# Altium PCB AMS_LV.PcbDoc (part 1 of 2) (continued)
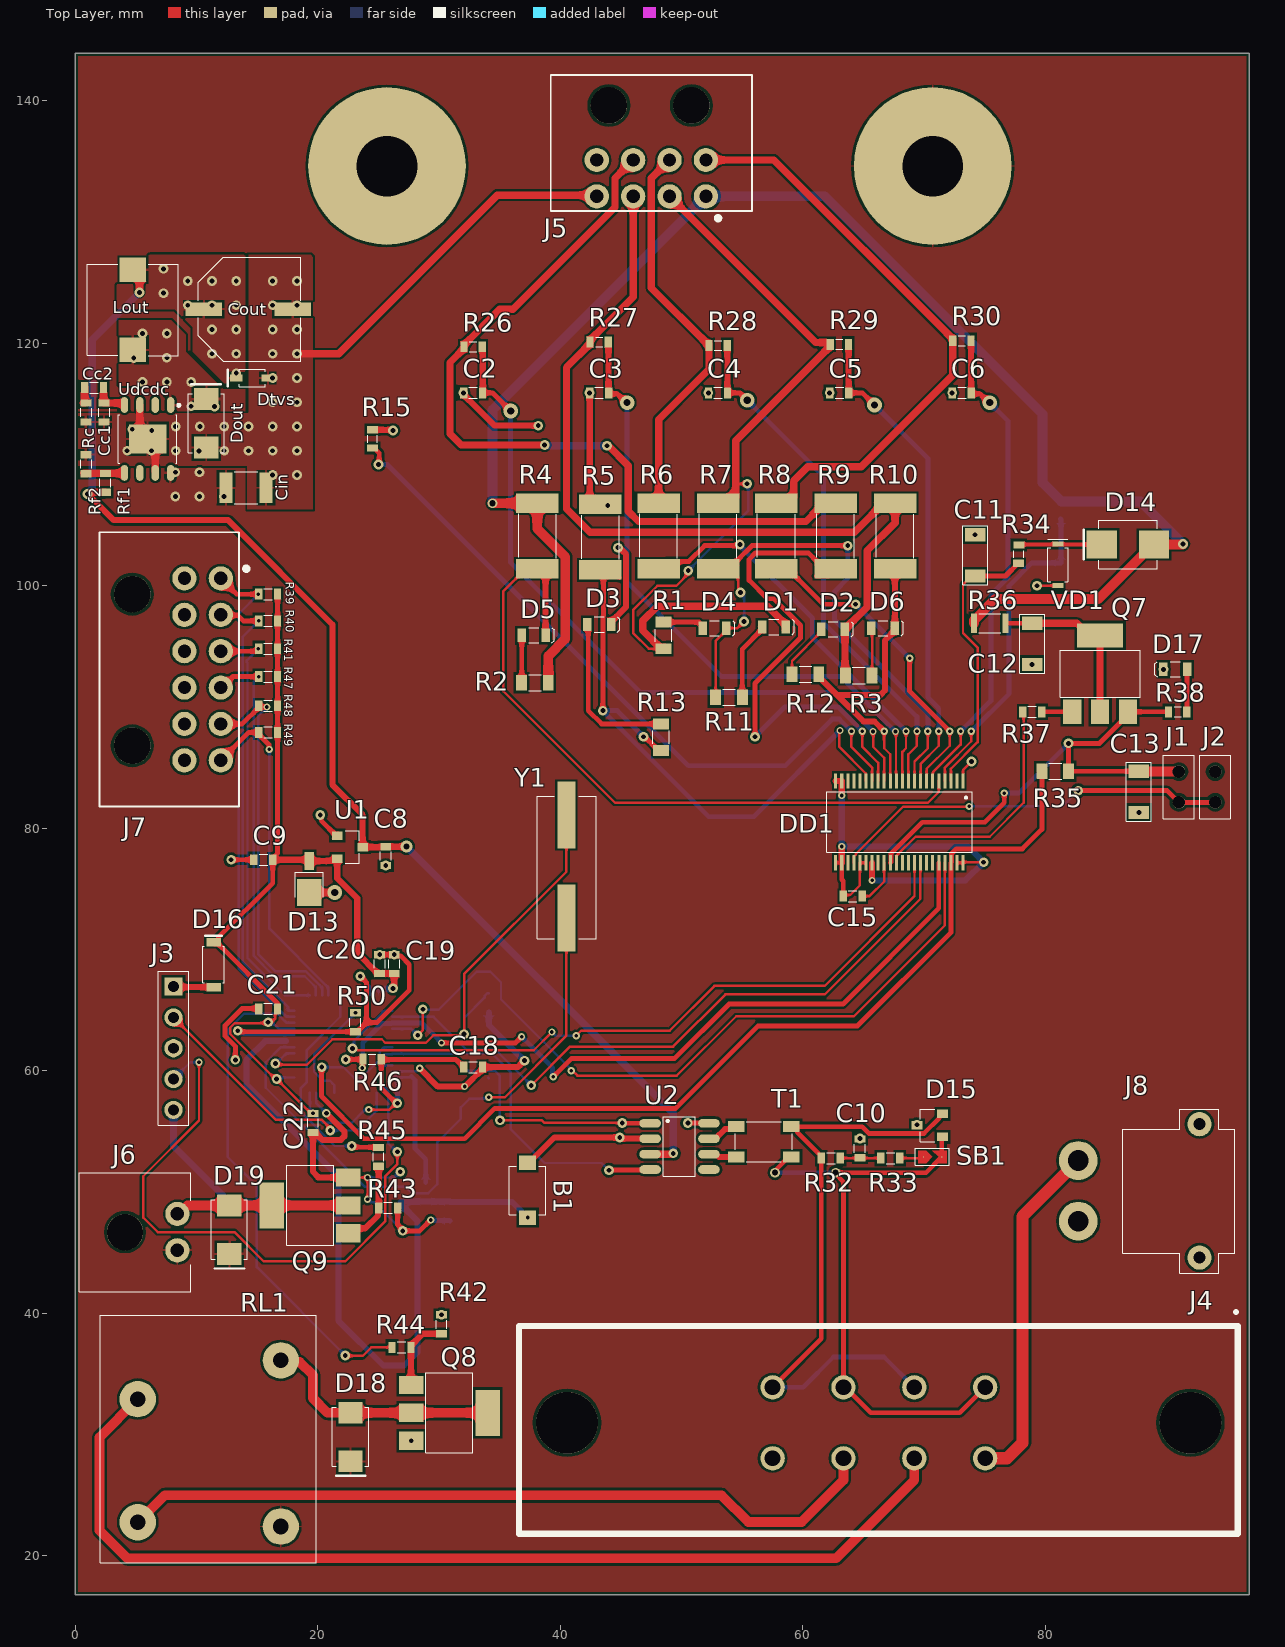
[diagram p0: Top Layer view]
## Footprints (in the part's own frame and the unit in brackets; to place one, negate y for a bottom-side part, rotate by r counter-clockwise, add the part's x,y. Pads: shape width x height; smd on the part's side, far side on the other; paste and mask are expansions set on the pad)
"0603 Capicator" [mm]
  rect 0.6x0.9 smd: 1(-0.78,0) 2(0.78,0)
  silkscreen extent -0.35,-0.45 0.35,0.45, body extent -0.82,-0.45 0.88,0.45, height 0.9
"0603 Resistor" [mm]
  rect 0.6x0.9 smd: 1(-0.78,0) 2(0.78,0)
  silkscreen extent -0.35,-0.45 0.35,0.45, body extent -0.85,-0.45 0.85,0.45, height 0.55
"0805 LED" [mm]
  rect 0.7x1.1 smd: 1(-0.975,0) 2(0.975,0)
  silkscreen extent -0.4,-0.63 1.68,0.63, body extent -1.01,-0.62 1.01,0.62, height 1.1
"0805 Resistor" [mm]
  rect 0.9x1.3 smd: 1(-1.1,0) 2(1.1,0)
  silkscreen extent -0.53,-0.67 0.53,0.67, body extent -1.05,-0.67 1.05,0.68, height 0.6
"1210 CAPACITOR" [mm]
  rect 1.1x2.5 smd: 1(-1.65,0) 2(1.65,0)
  silkscreen extent -0.95,-1.3 0.97,1.3, body extent -1.75,-1.35 1.75,1.35, height 1.8
"2512 Resistor" [mm]
  rect 1.6x3.5 smd: 1(-2.7,0) 2(2.7,0)
  silkscreen extent -1.82,-1.55 1.82,1.55, body extent -3.15,-1.55 3.15,1.55, height 0.65
ACT45B [mm]
  rect 1.35x0.9 smd: 1(0.675,2.5) 2(0.675,0) 3(5.225,0) 4(5.225,2.5)
  silkscreen extent 0.6,-0.4 5.3,2.9, body extent 0.7,-0.35 5.2,2.85, height 3
"Bar Cap 8x10.5" [mm]
  rect 1.1x3 smd: 1(0,0) 2(0,-7.325)
  silkscreen extent -4.28,-7.8 4.28,0.65, body extent -4.14,-8.24 4.16,1.06, height 10.31
"BUTTON 4x3" [mm]
  rect 1.4x1.2 smd: 1(0,0) 2(0,-4.5)
  silkscreen extent -1.48,-4.25 1.53,-0.25, body extent -1.42,-4.78 1.48,0.22, height 2
"Cap 0.1µF (1206)" [mm]
  rect 1.1x1.7 smd: 1(1.7,0) 2(-1.7,0)
  silkscreen extent -2.42,-1.02 2.43,1.02, body extent -1.67,-0.87 1.68,0.87, height 1
"Conn4x2 [MX150L]" [mm]
  round 2 hole 1.3: 1(0,0) 2(5.84,0) 3(11.68,0) 4(17.525,0) 5(0,-5.85) 6(5.84,-5.85) 7(11.68,-5.85) 8(17.525,-5.85)
  round 5.1 hole 5.1: A(-16.95,-2.92) A(34.45,-2.92)
  silkscreen extent -20.93,-12.07 38.35,6.2, body extent -20.48,-34.65 37.94,5, height 33.1
"Conn PLS-2" [mm]
  round 1.02 hole 1.02: 1(0,-1.27) 2(0,1.27)
  silkscreen extent -1.28,-2.6 1.28,2.6, body extent -1.27,-2.54 1.27,2.54, height 5.57
DO-216AA [mm]
  rect 2.2x2 smd: 1(-1.1,0)
  rect 1.5x0.8 smd: 2(1.5,0)
  silkscreen extent -1.5,-1.15 0.58,1.15, body extent -1.91,-0.93 1.85,0.98, height 1.02
hc-49sm [mm]
  rect 5.5x1.5 smd: 1(0,0) 2(8.5,0)
  silkscreen extent -1.73,-2.45 10.05,2.4, body extent -2.2,-2.44 10.6,2.39
"HEADER 2 XT30PW Male" [mm]
  round 3.2 hole 1.7: 1(0,0) 2(5,0)
  round 2 hole 1: A(-3,10) A(8,10)
  silkscreen extent -4.25,3.67 9.3,12.93, body extent -4.12,-1.05 9.18,12.9, height 5.1
HSOP-8 [mm]
  oval 1.3x0.6 smd mask+0.03: 1(-2.8,1.905) 2(-2.8,0.635) 3(-2.8,-0.635) 4(-2.8,-1.905) 5(2.8,-1.905) 6(2.8,-0.635) 7(2.8,0.635) 8(2.8,1.905)
  rect 2.41x3.1 smd mask+0.03: A(0,0)
  silkscreen extent -2.87,-2.4 2,2.68, body extent -3.01,-2.35 3.01,2.35, height 1.7
"Inductor 7x7" [mm]
  rect 2x2.2 smd: 1(-3.3,0) 2(3.3,0)
  silkscreen extent -3.77,-3.75 3.77,3.75, body extent -3.65,-3.65 3.65,3.65, height 4.5
LQFP48 [mm]
  oval 1.55x0.254 smd mask+0.02: 1(-4.025,2.75) 2(-4.025,2.25) 3(-4.025,1.75) 4(-4.025,1.25) 5(-4.025,0.75) 6(-4.025,0.25) 7(-4.025,-0.25) 8(-4.025,-0.75) 9(-4.025,-1.25) 10(-4.025,-1.75) 11(-4.025,-2.25) 12(-4.025,-2.75) 25(4.025,-2.75) 26(4.025,-2.25) 27(4.025,-1.75) 28(4.025,-1.25) 29(4.025,-0.75) 30(4.025,-0.25) 31(4.025,0.25) 32(4.025,0.75) 33(4.025,1.25) 34(4.025,1.75) 35(4.025,2.25) 36(4.025,2.75)
  oval 0.254x1.55 smd mask+0.02: 13(-2.75,-4.025) 14(-2.25,-4.025) 15(-1.75,-4.025) 16(-1.25,-4.025) 17(-0.75,-4.025) 18(-0.25,-4.025) 19(0.25,-4.025) 20(0.75,-4.025) 21(1.25,-4.025) 22(1.75,-4.025) 23(2.25,-4.025) 24(2.75,-4.025) 37(2.75,4.025) 38(2.25,4.025) 39(1.75,4.025) 40(1.25,4.025) 41(0.75,4.025) 42(0.25,4.025) 43(-0.25,4.025) 44(-0.75,4.025) 45(-1.25,4.025) 46(-1.75,4.025) 47(-2.25,4.025) 48(-2.75,4.025)
  silkscreen extent -3.8,-2.85 2.85,3.9, body extent -4.5,-4.54 4.5,4.46, height 1.56
LTC6810-1 [mm]
  rect 1.25x0.25 smd: 1(-3.375,5.5) 2(-3.375,5) 3(-3.375,4.5) 4(-3.375,4) 5(-3.375,3.5) 6(-3.375,3) 7(-3.375,2.5) 8(-3.375,2) 9(-3.375,1.5) 10(-3.375,1) 11(-3.375,0.5) 12(-3.375,0) 13(-3.375,-0.5) 14(-3.375,-1) 15(-3.375,-1.5) 16(-3.375,-2) 17(-3.375,-2.5) 18(-3.375,-3) 19(-3.375,-3.5) 20(-3.375,-4) 21(-3.375,-4.5) 22(-3.375,-5) 23(3.375,-5) 24(3.375,-4.5) 25(3.375,-4) 26(3.375,-3.5) 27(3.375,-3) 28(3.375,-2.5) 29(3.375,-2) 30(3.375,-1.5) 31(3.375,-1) 32(3.375,-0.5) 33(3.375,0) 34(3.375,0.5) 35(3.375,1) 36(3.375,1.5) 37(3.375,2) 38(3.375,2.5) 39(3.375,3) 40(3.375,3.5) 41(3.375,4) 42(3.375,4.5) 43(3.375,5) 44(3.375,5.5)
  silkscreen extent -2.5,-5.75 2.5,6.25
Microfit_4x2 [mm]
  round 2 hole 1.1: 1(0,0) 2(3,0) 3(6,0) 4(9,0) 5(0,-3) 6(3,-3) 7(6,-3) 8(9,-3)
  round 3 hole 3: A(1.2,-7.5) A(8,-7.5)
  silkscreen extent -3.8,-10 12.8,2.02, body extent -3.57,-11.95 12.58,0.29, height 8.83
Microfit_6x2 [mm]
  round 2 hole 1.1: 1(0,0) 2(3,0) 3(6,0) 4(9,0) 5(12,0) 6(15,0) 7(0,-3) 8(3,-3) 9(6,-3) 10(9,-3) 11(12,-3) 12(15,-3)
  round 3 hole 3: A(1.3,-7.3) A(13.8,-7.3)
  silkscreen extent -3.8,-10 18.8,2.32, body extent -3.57,-11.95 18.57,0.28, height 2.12
"MolexMicroFit 2x1" [mm]
  round 2 hole 1.1: 1(3,0) 2(0,0)
  round 3 hole 3: A(1.5,-4.32)
  silkscreen extent -3.4,-8.1 6.4,1.1, body extent -3.33,-8.9 6.33,1, height 5.64
"Optocupler [LTV-817S]" [mm]
  rect 1.3x1.5 smd: 1(-4.6,1.27) 2(-4.6,-1.27) 3(4.6,-1.27) 4(4.6,1.27)
  silkscreen extent -4.72,-2.3 3.25,2.69, body extent -5.08,-2.3 5.08,2.3, height 3.85
"PLS 5x1" [mm] "Connector; Header; 5 Position"
  rect 1.5x1.5 hole 0.9: 1(0,0)
  round 1.5 hole 0.9: 2(2.54,0) 3(5.08,0) 4(7.62,0) 5(10.16,0)
  silkscreen extent -1.27,-1.27 11.43,1.27, body extent -1.28,-1.28 11.42,1.26, height 8.54
"Relay(834-1A-B-C 24VDC)" [mm]
  round 3 hole 1.3: 1(-6.925,5.85) 2(6.775,5.85) 3(6.425,-5.95) 4(-3.725,-5.95)
  silkscreen extent -10.62,-9.05 9.78,8.75, body extent -10.57,-9.05 9.73,8.75, height 10.8
"RES 5.1k (603)" [mm]
  rect 0.9x0.6 smd: 1(-0.05,-0.725) 2(-0.025,0.775)
  silkscreen extent -0.45,-0.27 0.35,0.33, body extent -0.45,-0.78 0.35,0.83, height 0.45
"RES 10R (603)" [mm]
  rect 0.9x0.6 smd: 1(0,-0.75) 2(0.025,0.75)
  silkscreen extent -0.4,-0.3 0.4,0.3, body extent -0.4,-0.8 0.4,0.8, height 0.45
"RES 100R (603)" [mm]
  rect 0.9x0.6 smd: 1(0,-0.75) 2(0,0.75)
  silkscreen extent -0.4,-0.3 0.4,0.3, body extent -0.4,-0.8 0.4,0.8, height 0.45
"Res 100R (1206)" [mm]
  rect 1.6x0.5 smd: 1(0.8,0.3) 2(0.8,2.9)
  silkscreen extent 0,0.7 1.6,2.5, body extent 0,0 1.6,3.2, height 0.6
"Res 300R (603)" [mm]
  rect 0.9x0.6 smd: 1(0,-0.75) 2(0,0.75)
  silkscreen extent -0.4,-0.3 0.4,0.3, body extent -0.4,-0.8 0.4,0.8, height 0.45
"SB 0603" [mm] "Jumper"
  rect 0.1x0.1 smd: 1(-0.65,0) 2(0.85,0)
  Top Layer region: 0.12,-0.508 -0.388,0 0.12,0.508 -1.05,0.508 -1.05,-0.508
  Top Layer region: 0.641,-0.508 0.134,0 0.642,0.508 1.309,0.508 1.309,-0.508
  silkscreen extent -1.28,-0.7 1.53,0.7
SMA [mm]
  rect 1.8x2 smd: 1(-2,0) 2(2,0)
  silkscreen extent -2.45,-1.5 3.2,1.5, body extent -2.74,-1.4 2.74,1.4, height 2.29
SMB [mm]
  rect 2.5x2.3 smd: 1(-2.15,0) 2(2.15,0)
  silkscreen extent -2.42,-2 3.65,2, body extent -2.79,-1.97 2.79,1.97, height 2.65
SO-8 [mm]
  oval 1.78x0.72 smd: 1(0,0) 2(0,-1.27) 3(0,-2.54) 4(0,-3.81) 5(4.85,-3.81) 6(4.85,-2.54) 7(4.85,-1.27) 8(4.85,0)
  silkscreen extent 1.1,-4.35 3.72,0.55, body extent -0.45,-4.35 5.33,0.55, height 1.45
sod-123 [mm]
  rect 0.7x1.2 smd: 1(0,0) 2(3.7,0)
  silkscreen extent 0.35,-0.9 4.25,0.87, body extent 0,-0.8 3.7,0.8
sod-323 [mm]
  rect 1x0.6 smd: 1(0,0) 2(2.6,0)
  silkscreen extent 0.23,-0.72 3.3,0.72, body extent 0.03,-0.68 2.63,0.67, height 1.1
SOT-23 [mm]
  rect 0.7x0.9 smd: 1(0,0) 2(1.9,0) 3(0.95,2.1)
  silkscreen extent -0.4,0.65 2.3,1.83, body extent -0.55,-0.17 2.45,2.23, height 1.1
SOT-223 [mm]
  rect 1.5x2 smd: 1(-2.3,0) 2(0,0) 3(2.3,0)
  rect 3.8x2 smd: 2(0,6.3)
  silkscreen extent -3.3,1.2 3.3,5.07, body extent -3.25,-0.23 3.25,6.73, height 1.7
"TVS Diode 26V [SMF26A]" [mm]
  rect 0.4x0.9 smd: 1(1.525,0.075) 2(-1.875,0.075)
  silkscreen extent -1.58,-0.78 1.92,0.92, body extent -1.97,-0.75 1.62,0.9, height 0.95

## Part data
B1: library part "Button 2 Conn", "Button 2 Conn SMD", Manufacturer="KLS electronic co ltd", Part Number=L-KLS7-TS3608-5.0-180, ComponentLink1Description=Chip&Dip, ComponentLink1URL=https://www.chipdip.ru/product/kls7-ts3608-5.0-180-td-02xa, Type=Button
C2 C3 C4 C5 C6 C7 C22: library part "Cap 10nF (0603)", "X7R 10nF 100V 10% 0603", Manufacturer="Murata Manufacturing", Part Number=GRM188R72A103KA01D, ComponentLink1Description=Chip&Dip, ComponentLink1URL=https://www.chipdip.ru/product/grm188r72a103ka01d, Type=Capacitor
C8 C9 C15: library part "Cap 1uF (0603)", "1uF X5R 25V 10% 0603", Manufacturer="Murata Manufacturing", Part Number=GRM188R61E105KAADD, ComponentLink1Description=Chip&Dip, ComponentLink1URL=https://www.chipdip.ru/product/grm188r61e105k, Type=Capacitor
C10: library part "Cap 4.7uF (0603)", "4.7uF X5R 25V 10% 0603", Manufacturer="Murata Manufacturing", Part Number=GRM188R61E475KE11D, ComponentLink1Description=Chip&Dip, ComponentLink1URL=https://www.chipdip.ru/product0/9000348448, Type=Capacitor
C11 C12: library part "Cap 0.1µF (1206)", "CERAMIC CAPACITOR 0.1uF, 100V, 10%, 1206", ComponentLink1Description=ChipDip, ComponentLink1URL=https://www.chipdip.ru/product/ld061c104kab2a, ComponentLink2Description=DataSheet, ComponentLink2URL=http://www.farnell.com/datasheets/2097579.pdf
C13: library part "Cap 1µF (1206)", "1uF 100V 10%", ComponentLink1Description="Chip Dip", ComponentLink1URL=https://www.chipdip.ru/product/12061c105k4z2a-smd-mlcc-1206-100v-x7r-1u-1, ComponentLink2Description=Datasheet, ComponentLink2URL=http://www.farnell.com/datasheets/2237835.pdf
C16 C17: library part "Cap 10pF (0603)", "10pF NP0 50V 5% 0603", Manufacturer="Murata Manufacturing", Part Number=GRM1885C1H100JA01D, ComponentLink1Description=Chip&Dip, ComponentLink1URL=https://www.chipdip.ru/product/grm1885c1h100j, Type=Capacitor
C18 C19 C20 C21 C23: library part "Cap 0.1uF (0603)", "0.1uF X7R 16V 10% 0603", Manufacturer="Murata Manufacturing", Part Number=GRM188R71C104KA01D, ComponentLink1Description=Chip&Dip, ComponentLink1URL=https://www.chipdip.ru/product/grm188r71c104ka01d, Type=Capacitor
Cc1: library part "Cap 220pF (0603)", "220pF NP0 50V 5% 0603", Manufacturer="Murata Manufacturing", Part Number=GRM1885C1H221J, ComponentLink1Description=Chip&Dip, ComponentLink1URL=https://www.chipdip.ru/product/grm1885c1h221j, Type=Capacitor
Cc2: library part "Cap 22nF (0603)", "22nF X7R 50V 10% 0603", Manufacturer="Murata Manufacturing", Part Number=GRM188R71H223KA01D, ComponentLink1Description=Chip&Dip, ComponentLink1URL=https://www.chipdip.ru/product/grm188r71h223k, Type=Capacitor
Cin: library part "Cap 10uF (1210)", "10uF X7R 10% 50V 1210", Manufacturer="Murata Manufacturing", Part Number=GRM32ER71H106KA12, ComponentLink1Description=Chip&Dip, ComponentLink1URL=https://www.chipdip.ru/product/grm32er71h106k, Type=Capacitor
Cout: library part "Cap Pol 330uF", "ECAP SMD,  16V, 105°C, 20%", Manufacturer=JB, Part Number=JCK1C331M080105, ComponentLink1Description=Chip&Dip, ComponentLink1URL=https://www.chipdip.ru/product0/9000565746, Type=Capacitor
D1 D2 D3 D4 D5 D6: library part "Led Red", "SMD 1608, 112mcd, 120°, 630nM (Ultra Bright Red)", Manufacturer="Taiwan Oasis Technology", Part Number=TO-1608BC-MRE, ComponentLink1Description=Chip&Dip, ComponentLink1URL=https://www.chipdip.ru/product/to-1608bc-mre, Type=Diode
D13: library part "TVS Diode 3.3V [SM2T]", "High peak pulse power: 200 W (10/1000 μs)", Manufacturer=STMicroelectronics, Part Number=SM2T3V3A, ComponentLink1Description=DataSheet, ComponentLink1URL=https://www.st.com/resource/en/datasheet/sm2t3v3a.pdf, ComponentLink2Description=Chip&Dip, ComponentLink2URL=https://www.chipdip.ru/product0/8283670575, Type=Diode
D14: library part "Diode Schottky (SMB)", "Diode Schottky 5A 40V", Manufacturer="Diotec Semiconductor", Part Number=SK54, ComponentLink1Description=DataSheet, ComponentLink1URL=https://static.chipdip.ru/lib/092/DOC001092363.pdf, ComponentLink2Description=Chip&Dip, ComponentLink2URL=https://www.chipdip.ru/product/sk54, Type=Diode
D15: library part "TVS Diode Arrays", Manufacturer=Littelfuse, Part Number=SM24CANB-02HTG, ComponentLink1Description=DataSheet, ComponentLink1URL=https://m.littelfuse.com/~/media/electronics/datasheets/tvs_diode_arrays/littelfuse_tvs_diode_array_sm24canb_datasheet.pdf.pdf, ComponentLink2Description=Chip&Dip, ComponentLink2URL=https://www.chipdip.ru/product1/8001779022, Type=Diode
D16: library part "Diode Schottky (SOD-123)", "0.5 A, Low Forward Voltage less than 385 mV, 400 mW Power Dissipation Package", Manufacturer="ON Semiconductor", Part Number=MBR0520L, ComponentLink1Description=DataSheet, ComponentLink1URL=http://www.farnell.com/datasheets/1875336.pdf, ComponentLink2Description=Chip&Dip, ComponentLink2URL=https://www.chipdip.ru/product/mbr0520l, Type=Diode
D17: library part "Led Green", "Led Green SMD 1608, 120°, 525nM", Manufacturer="Taiwan Oasis Technology", Part Number=TO-1608BC-PG, ComponentLink1Description=Chip&Dip, ComponentLink1URL=https://www.chipdip.ru/product/to-1608bc-pg, Type=Diode
D18 D19 Dout: library part "Diode Schottky (SMA)", "Diode Schottky 3A 40V", Manufacturer=Vishay, Part Number=B340A-E3/61T, ComponentLink1Description=DataSheet, ComponentLink1URL=https://static.chipdip.ru/lib/652/DOC001652710.pdf, ComponentLink2Description=Chip&Dip, ComponentLink2URL=https://www.chipdip.ru/product/b340a-e3-61t-2, Type=Diode
Dtvs: library part "TVS Diode 5V [PESD]", "ESD Suppressor TVS 30KV,130W,  SOD-323", Manufacturer=Nexperia, Part Number=PESD5V0S1BA,115, ComponentLink1Description=DataSheet, ComponentLink1URL=https://static.chipdip.ru/lib/160/DOC001160262.pdf, ComponentLink2Description=Chip&Dip, ComponentLink2URL=https://www.chipdip.ru/product/pesd5v0s1ba.115, Type=Diode
J1 J2: library part "Conn PLS-2", "PLS-2 (DS1021-1x2)", ComponentLink1Description=ChipDip, ComponentLink1URL=https://www.chipdip.ru/product/pls-2?yclid=7505697924270808350&utm_source=direct&utm_medium=cpc&position_type=premium%7Ck50id%7C010000001264065_Все%7Ccid%7C50598766%7Cgid%7C4147825070%7Caid%7C8822723075%7Csrc%7Csearch_none&utm_campaign=Y_dinamicheskaya&utm_content=text4_ya&utm_term=, ComponentLink2Description=Datasheet, ComponentLink2URL=https://static.chipdip.ru/lib/977/DOC005977245.pdf
J3: "Header, 5-Pin", LatestRevisionDate=17-Jul-2002, LatestRevisionNote="Re-released for DXP Platform.", Publisher="Altium Limited"
J4: library part "Conn4x2 [MX150L]", "5.84mm Pitch MX150L Right-Angle PCB Header, Dual Row, without PCB Flange, 8 Circuits", Manufacturer=Molex, Part Number=194270017, ComponentLink1Description=Molex, ComponentLink1URL=https://www.molex.com/molex/products/part-detail/pcb_headers/0194270017, Type=Connector
J5: library part "Conn4x2 [Microfit]_1", "Right-Angle", Manufacturer=Molex, Part Number=430450800, ComponentLink1Description=Molex, ComponentLink1URL=https://www.molex.com/molex/products/part-detail/pcb_headers/0430450800, Type=Connector
J6: library part "Conn 2 [MicroFit]", "Micro-Fit 3.0 Right-Angle Header, 3.00mm Pitch, Single Row, 2 Circuits, with Snap-in Plastic Peg PCB Lock, Tin, Glow-Wire Capable, Black", Manufacturer=Molex, Part Number=436500200, ComponentLink1Description=Molex, ComponentLink1URL=https://www.molex.com/molex/products/part-detail/pcb_headers/0436500200, Type=Connector
J7: library part "Conn6x2 [Microfit]", "PCB Mount Header, Right Angle,  Wire-to-Board", Manufacturer=Molex, Part Number=430451200, ComponentLink1Description=Molex, ComponentLink1URL=https://www.molex.com/molex/products/part-detail/pcb_headers/0430451200, Type=Connector
J8: library part "Connector XT30PW-Male", Manufacturer=Amass, Part Number=XT30PW, ComponentLink1Description=AliExpress, ComponentLink1URL=https://ru.aliexpress.com/item/4000070113352.html?spm=a2g0o.productlist.0.0.39dd34bfyYuspa&algo_pvid=4d7d83f5-6270-4220-b100-9b5f13b0846d&algo_expid=4d7d83f5-6270-4220-b100-9b5f13b0846d-3&btsid=c67bc929-e3be-4af3-9fd9-25ac13ce4818&ws_ab_test=searchweb0_0,searchweb201602_,searchweb201603_55, Type=Connector
Lout: library part "Inductor 15uH (0.2..3.6A)", "15uH, 1.53A, 7X7", Manufacturer=Epcos, Part Number=B82472G6153M000, ComponentLink1Description=DataSheet, ComponentLink1URL=https://static.chipdip.ru/lib/972/DOC003972643.pdf, ComponentLink2Description=Chip&Dip, ComponentLink2URL=https://www.chipdip.ru/product/b82472g6153m000-15, Type=Inductor
Q7 Q8 Q9: library part "NPN [PBS]", "NPN low VCEsat transistor in a SOT223 plastic package", Manufacturer=Nexperia, Part Number=PBSS4540Z,115, ComponentLink1Description=DataSheet, ComponentLink1URL=https://static.chipdip.ru/lib/583/DOC001583057.pdf, ComponentLink2Description=Chip&Dip, ComponentLink2URL=https://www.chipdip.ru/product/pbss4540z.115, Type=Transistor
R1 R2 R3 R11 R12 R13: library part "Res 75R (0805)", "0.125W 0805 75R, 1%", Manufacturer=Taiwan, Part Number=RC0805FR-0775RL, ComponentLink1Description=Chip&Dip, ComponentLink1URL=https://www.chipdip.ru/product0/9000079459, Type=Resistor
R4 R5 R6 R7 R8 R9 R10: library part "Res 39R (2512)", "2512 39R 1% 1W", Manufacturer=Taiwan, PartNumber=RC2512FR-0775RL, ComponentLink1Description=ChipDip, ComponentLink1URL=https://www.chipdip.ru/product0/9000190077, ComponentLink2Description=Datasheet, ComponentLink2URL=https://static.chipdip.ru/lib/788/DOC004788200.pdf, Type=Resistor
R15 R26 R27 R28 R29 R30 R31: library part "Res 100R (603)", "603 100R 1% 0.1W", ComponentLink1Description=ChipDip, ComponentLink1URL=https://www.chipdip.ru/product0/9000079616, ComponentLink2Description=Datasheet, ComponentLink2URL=https://static.chipdip.ru/lib/788/DOC004788200.pdf
R32 R33: library part "Res 62R (0603)", "0.1W 0603 62R, 1%", Manufacturer=Taiwan, Part Number=RC0603FR-0762RL, ComponentLink1Description=Chip&Dip, ComponentLink1URL=https://www.chipdip.ru/product0/9000079611, Type=Resistor
R34: library part "Res 10R (603)", "603 10R 75V", ComponentLink1Description=ChipDip, ComponentLink1URL=https://www.chipdip.ru/product/crcw060310r0fkea, ComponentLink2Description=Datasheet, ComponentLink2URL=http://www.farnell.com/datasheets/2310790.pdf
R35: library part "Res 1M (0805)", "0.125W 0805 1 MR, 5%", Manufacturer=Taiwan, Part Number=RC0805JR-071ML, ComponentLink2Description=Chip&Dip, ComponentLink2URL=https://www.chipdip.ru/product0/830469679, Type=Resistor
R36: library part "Res 100R (1206)", "1206 100R 1%", ComponentLink1Description="Chip Dip", ComponentLink1URL=https://www.chipdip.ru/product/cr1206-fx-1000elf-smd-1206-thick-film-resis, ComponentLink2Description=Datasheet, ComponentLink2URL=http://www.farnell.com/datasheets/2178762.pdf
R37: library part "Res 0R (0603)", "0.1W 0603 0R, 5%", Manufacturer=Taiwan, Part Number=RC0603JR-070RL, ComponentLink1Description=Chip&Dip, ComponentLink1URL=https://www.chipdip.ru/product0/9000070541, Type=Resistor
R38 R52: library part "Res 300R (603)", "0603 300R 1%", ComponentLink1Description=ChipDip, ComponentLink1URL=https://www.chipdip.ru/product0/9000079627, ComponentLink2Description=DataSheet, ComponentLink2URL=https://static.chipdip.ru/lib/788/DOC004788200.pdf
R39 R40 R41 R42 R43 R47 R48 R49 R51: library part "Res 10k (0603)", "0.1W 0603 10k, 1%", Manufacturer=Taiwan, Part Number=RC0603FR-0710KL, ComponentLink1Description=Chip&Dip, ComponentLink1URL=https://www.chipdip.ru/product0/9000079736, Type=Resistor
R44 R45: library part "Res 1k (0603)", "0.1W 0603 1k, 1%", Manufacturer=Taiwan, Part Number=RC0603FR-071KL, ComponentLink1Description=Chip&Dip, ComponentLink1URL=https://www.chipdip.ru/product0/9000079676, Type=Resistor
R46: library part "Res 5k (603)", "0.1W 0603 5.1 kOhm, 1%", ComponentLink1Description=ChipDip, ComponentLink1URL=https://www.chipdip.ru/product0/9000079729, ComponentLink2Description=Datasheet, ComponentLink2URL=https://static.chipdip.ru/lib/788/DOC004788200.pdf
R50: library part "Res 3.9k (0603)", "0.1W 0603 3.9k, 1%", Manufacturer=Taiwan, Part Number=RC0603FR-073K9L, ComponentLink1Description=Chip&Dip, ComponentLink1URL=https://www.chipdip.ru/product0/9000079726, Type=Resistor
Rc: library part "Res 4.7k (0603)", "0.1W 0603 4.7k, 1%", Manufacturer=Taiwan, Part Number=RC0603FR-074K7L, ComponentLink1Description=Chip&Dip, ComponentLink1URL=https://www.chipdip.ru/product0/9000079728, Type=Resistor
Rf1: library part "Res 11k (0603)", "0.1W 0603 11k, 1%", Manufacturer=Taiwan, Part Number=RC0603FR-0711KL, ComponentLink1Description=Chip&Dip, ComponentLink1URL=https://www.chipdip.ru/product0/9000079737, Type=Resistor
Rf2: library part "Res 3.3k (0603)", "0.1W 0603 3.3k, 1%", Manufacturer=Taiwan, Part Number=RC0603FR-073K3L, ComponentLink1Description=Chip&Dip, ComponentLink1URL=https://www.chipdip.ru/product0/9000079724, Type=Resistor
RL1: library part "Relay 24V 10A", "High ratings: 12A 125VAC, 10A 277VAC/30VDC, / TV-5, 1/4HP 125/250VAC.", ComponentLink1Description=ChipDip, ComponentLink1URL=https://www.chipdip.ru/product/834-1a-b-c-24vdc, ComponentLink2Description=Datasheet, ComponentLink2URL=https://static.chipdip.ru/lib/156/DOC000156754.pdf
T1: "Common mode filters / Automotive signal line (for power train/safety)", Manufacturer="EMC Components", Part Number=ACT45B-510-2P-TL003, ComponentLink1Description=DataSheet, ComponentLink1URL=https://product.tdk.com/info/en/catalog/datasheets/cmf_automotive_signal_act45b_en.pdf, Type=Inductor
U1: library part "LDO 3.3V [MCP]", "A family of CMOS low dropout (LDO)voltage  regulators  that  can  deliver  up  to  250 mA  ofcurrent  while  consuming  only  1.6 μA  of  quiescentcurrent (typical). The input operating range is specifiedfrom 2.3V to 6.0V", Manufacturer=Microchip, Part Number=MCP1700T-3302E/TT, ComponentLink1Description=DataSheet, ComponentLink1URL=https://static.chipdip.ru/lib/276/DOC000276804.pdf, ComponentLink2Description=Chip&Dip, ComponentLink2URL=https://www.chipdip.ru/product/mcp1700t-3302e-tt, ComponentLink3Description=Elitan, ComponentLink3URL=https://www.elitan.ru/price/item595361
U2: library part "CAN Transceiver [MCP2551]", "High-speed  CAN,  fault-tolerantdevice  that  serves  as  the  interface  between  a  CANprotocol controller and the physical bus.", Manufacturer=Microchip, Part Number=MCP2551-I/SN, ComponentLink1Description=DataSheet, ComponentLink1URL=https://static.chipdip.ru/lib/204/DOC000204457.pdf, ComponentLink2Description=Chip&Dip, ComponentLink2URL=https://www.chipdip.ru/product/mcp2551-i-sn, Type=IC
U3: "Cortex™-M3 32-bit RISC core operating at a 72 MHz frequency", Manufacturer=STMicroelectronics, ComponentLink1Description=DataSheet, ComponentLink1URL=https://static.chipdip.ru/lib/235/DOC000235733.pdf, ComponentLink2Description=Chip&Dip, ComponentLink2URL=https://www.chipdip.ru/product/stm32f103c8t6, Part Number=STM32F103C8T6, Type=IC
U4: library part "Optocupler [LTV-817S]", "LTV-817S, 5000 Vrms, SMD-4, 4-pin, -30...+110 degC", ComponentLink1Description=ChipDip, ComponentLink1URL=https://www.chipdip.ru/product0/8001777801, ComponentLink2Description=Datasheet, ComponentLink2URL=https://static6.arrow.com/aropdfconversion/acb51fbce558b47de527fd2f65fc66930fdd9300/2s_110_ltv-817202082720208472020m20s20s-ta20s-t.pdf
Udcdc: library part "DC/DC Controller [L5973]", "The L5973AD is a step down monolithic power switching regulator with a switch current limit of 2 A so it is able to deliver more than 1.5 A DC current to the load depending on the application conditions", Manufacturer=STMicroelectronics, Part Number=L5973ADTR, ComponentLink1Description=Chip&Dip, ComponentLink1URL=https://www.chipdip.ru/product/l5973ad, ComponentLink2Description=DataSheet, ComponentLink2URL=https://static.chipdip.ru/lib/583/DOC001583165.pdf, Type=IC
VD1: library part "TVS Diode 26V [SMF26A]", "SMF26A 200W", ComponentLink1Description=ChipDip, ComponentLink1URL=https://www.chipdip.ru/product/smf26a, ComponentLink2Description=Datasheet, ComponentLink2URL=https://static.chipdip.ru/lib/152/DOC001152952.pdf
Y1: library part "Crystal 8MHz SMD", "Crystal. HC-49SM (US)", Manufacturer=China, Part Number=8.000MHzHC-49SM, ComponentLink1Description=Chip&Dip, ComponentLink1URL=https://www.chipdip.ru/product/8mhz-hc-49sm, Type=Crystal
DD1: ComponentLink1Description=ChipDip, ComponentLink1URL=https://www.chipdip.ru/product1/8004965185, ComponentLink2Description=Datasheet, ComponentLink2URL=https://www.analog.com/ru/products/ltc6810-1.html#product-overview

## Free pads (board coordinates)
  round 13 hole 5: "Holder holes"(25.7,134.6) "Holder holes"(70.7,134.6)

## Via types
v1: diameter 0.8, hole 0.4, Top Layer to Bottom Layer, 69 vias
v2: diameter 0.8, hole 0.4, Top Layer to Bottom Layer, tented both sides, 59 vias
v3: diameter 0.6, hole 0.3, Top Layer to Bottom Layer, 43 vias
v4: diameter 1.2, hole 0.6, Top Layer to Bottom Layer, 6 vias
v5: diameter 0.8, hole 0.5, Top Layer to Bottom Layer, 3 vias
v6: diameter 0.7, hole 0.4, Top Layer to Bottom Layer, 1 vias
v7: diameter 1, hole 0.5, Top Layer to Bottom Layer, 1 vias

## Nets (pads, with @x,y where several pads share a name; then routed paths per layer and width w, separated by ;. In a path a pad name is that pad's centre, name@x,y a point inside that pad or via, vN(x,y) a via of type N, cw(c..) or ccw(c..) an arc to the next point about the centre after c; other vN are vias at no path point)
+3.3V: C9.2 C18.2 C19.2 C20.2 C21.2 C22.2 D13.2 D16.2 R39.2 R40.2 R41.2 R46.1 R47.2 R48.2 R49.2 R51.2 U1.2 U3.1 U3.9 U3.24 U3.36 U3.48 | length 111.7
  Top Layer w0.2: C21.2@16.7,65.1 C21.2@16.68,65.1 16.48,64.9 16.48,64.3 16.18,64 v1(15.9,64) 15.825,63.925 13.141,63.925 12.775,63.559 12.775,63.041 16.486,59.33 v1(16.6,59.33) 19.45,56.48 C22.2@19.6,56.48 ; D13.2@19.2,77.4 D13.2@19.3,77.3 ; U1.2@21.4,77.3 U1.2@21.6,77.5 ; v3(24.2,56.8) 25.897,56.8 26.397,57.3 v1@26.5,57.3
  Top Layer w0.4: D16.2@11.4,70.6 D16.2@11.65,70.6 ; R39.2@16.68,99.3 R40.2@16.68,97.1 R41.2@16.68,94.8 R47.2@16.68,92.5 R48.2@16.68,90.1 R49.2@16.68,87.9 16.68,77.95 16.28,77.55 C9.2@16.28,77.4 16.28,75.48 11.8,71 11.8,70.75 D16.2@11.65,70.6 ; C21.2@16.7,65.1 16.7,65.55 D16.2@11.65,70.6 ; v1@26.5,57.3 25.225,58.575 R46.1@25.225,60.95 25.25,60.925 31.395,60.925 31.77,60.55 31.92,60.55 32.02,60.45 C18.2@32.02,60.3
  Top Layer w0.5: C9.2@16.28,77.4 D13.2@19.2,77.4 ; D13.2@19.3,77.3 U1.2@21.4,77.3 ; U1.2@21.6,77.5 21.6,75.879 23.25,74.229 23.25,69.72 24.95,68.02 C20.2@25.1,68.02 C19.2@26.3,68.02 26.3,66.9 v1(26.2,66.8) v1@26.1,66.7
  Bottom Layer w0.2: v1(15.9,64) 16.242,64 16.792,63.45 U3.9@18.075,63.45 ; v1@16.708,59.45 U3.1@18.075,59.45 ; U3.48@19.35,58.175 19.35,56.858 19.6,56.608 v3(19.6,56.5) 20.4,55.7 22.8,55.7 23.9,56.8 v3(24.2,56.8) ; U3.36@26.485,59.46 26.822,59.46 26.823,59.462 27.663,59.462 27.726,59.525
  Bottom Layer w0.4: U3.36@26.125,59.45 26.485,59.45 26.558,59.377 v1(26.558,57.329) ; 27.727,59.525 28,59.252 28,53.6 28.9,52.7 R51.2@28.9,50.78
  Bottom Layer w0.5: U3.24@24.973,66.743 26.143,66.743 v1(26.2,66.8)
+5V: C8.2 Cout.2 Dtvs.2 Lout.2 Rf1.2 U1.3 U2.3 | length 106
  Top Layer w0.5: v2@1.007,107.566 v2(1.01,107.564) 3.173,105.4 12.6,105.4 21.2,96.8 21.2,83.6 23.7,81.1 U1.3@23.7,78.45 C8.2@25.57,78.45 ; C8.2@25.61,78.49 v7@27.29,78.49
  Top Layer w0.6: v2(1.01,107.564) 1.064,107.564 1.195,107.695 Rf1.2@2.475,107.695 ; Lout.2@4.75,126.05 5.3,125.5 v2(5.3,124.175) ; U2.3@47.415,53.115 U2.3@47.4,53.13 49.192,53.13 49.254,53.192 v1(49.308,53.192)
  Bottom Layer w0.6: v2(1.01,107.564) 1.01,107.618 1.4,108.008 1.4,120.275 v2(5.3,124.175) ; v7(27.3,78.5) 49.3,56.5 49.3,53.2 v1(49.308,53.192)
  other v2: 13.275,117.525 11.275,119.125 13.275,119.125 11.275,121.125 13.275,121.125 9.275,123.125 11.275,123.125 13.275,123.125 7.275,124.125 9.275,125.125 11.275,125.125 13.275,125.125 7.275,126.125
+24V: "pad.Holder holes"@70.7,134.6 Cin.1 D18.2 D19.2 J6.1 RL1.2 Udcdc.8 | length 0.8
  Top Layer w0.8: J6.1@8.42,44.9 J6.1@8.57,45.05 ; D18.2@22.5,27.7 22.6,27.8 D18.2@22.7,27.8
  Top Layer w1.2: D19.2@12.55,45.05 D19.2@12.7,44.9
  Top Layer w1.6: D18.2@22.7,27.8 D18.2@22.8,27.8
  Bottom Layer w1.2: J6.1@8.42,45.2 J6.1@8.42,45.22
  other v2: 8.25,107.35 10.25,107.35 12.25,107.35 8.25,109.35 10.25,109.35
+24V_IN: J4.8 J8.1 | length 28.8
  Top Layer w1: J4.8@75.025,28.05 76.825,28.05 78.1,29.325 78.1,48 J8.1@82.7,52.6